# KiCad board ZX80_Board.kicad_pcb
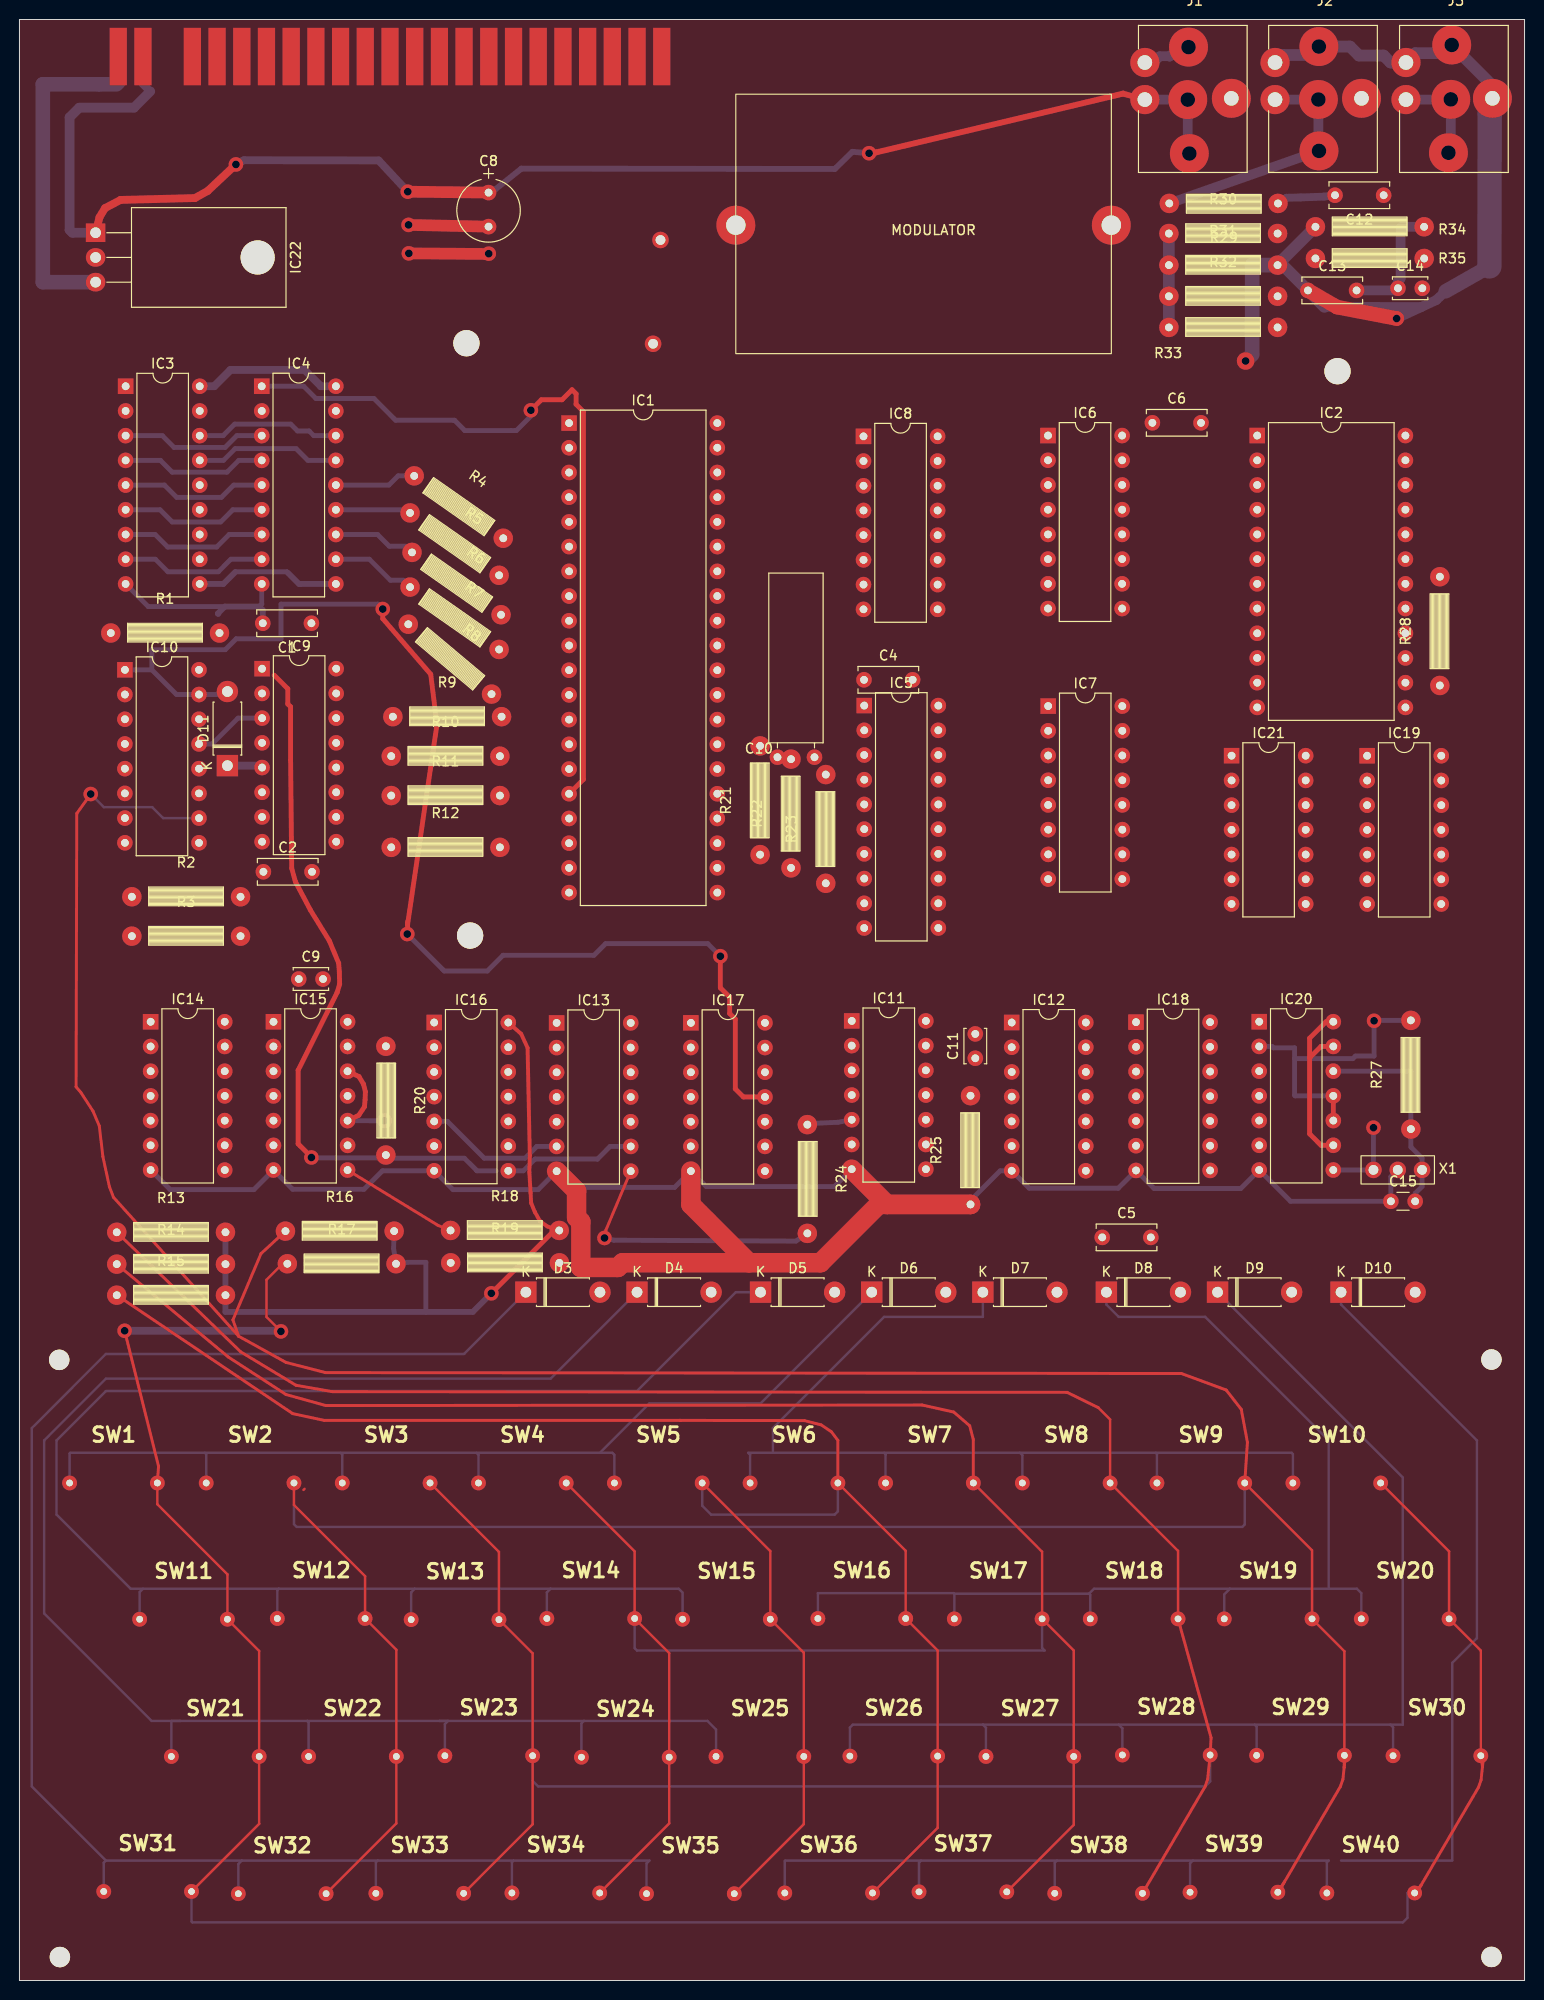
[diagram p0: board, top side]
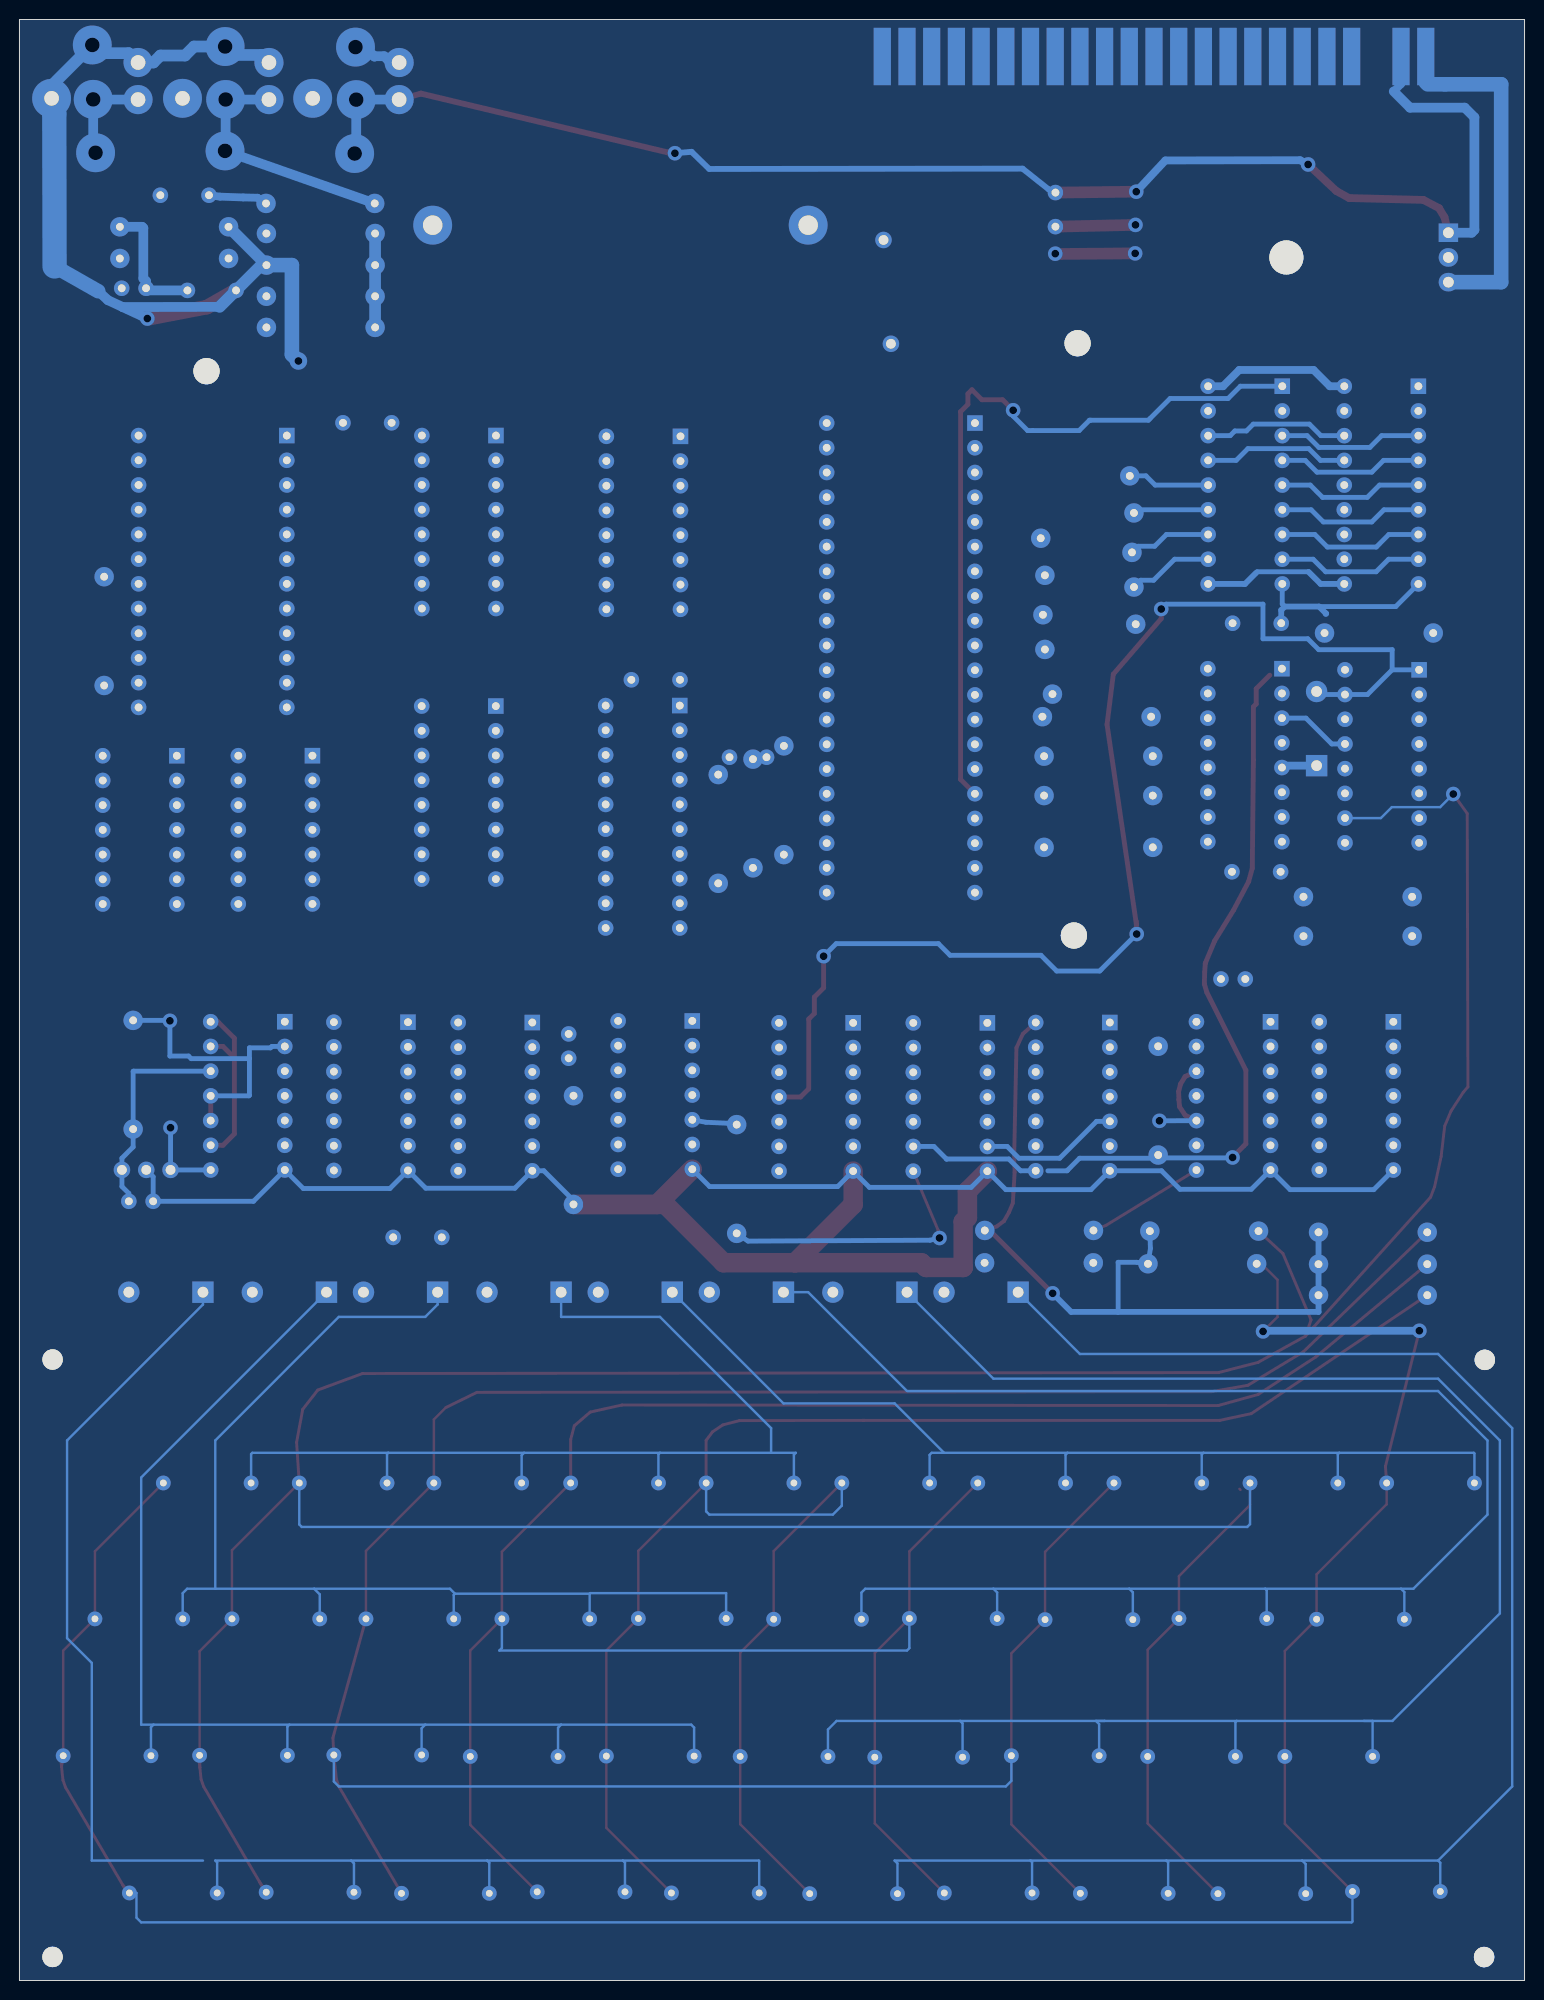
[diagram p1: board, bottom side, seen from below]

Outline 154.76 x 201.56 mm; copper layers: Top, Bottom. Coordinates in mm from the lower left corner of the outline.
Outline path: rectangle 0,201.56 154.76,0
Stack: Top 0.035mm / dielectric 1.51mm FR4 er 4.5 / Bottom 0.035mm

## Placement (name value [footprint] x y rotation side)
Back  Back  [ZX80_Foil_Back]  79.94 99.97 0 top
C1  47n  [C_Disc_D6.0mm_W2.5mm_P5.00mm]  30.02 139.51 180 top
C2  47n  [C_Disc_D6.0mm_W2.5mm_P5.00mm]  25.08 113.96 0 top
C4  47n  [C_Disc_D6.0mm_W2.5mm_P5.00mm]  86.84 133.69 0 top
C5  47n  [C_Disc_D6.0mm_W2.5mm_P5.00mm]  111.33 76.38 0 top
C6  47n  [C_Disc_D6.0mm_W2.5mm_P5.00mm]  116.49 160.1 0 top
C8  22u  [ZX80_C8_CP_Radial_D6.3mm_P3.50mm]  48.23 181.81 0 top
C9  47p  [C_Disc_D3.4mm_W2.1mm_P2.50mm]  28.72 102.94 0 top
C10  1u  [ZX80_C10_CP_Radial_D6.3mm_P3.50mm]  79.84 128.6 0 top
C11  47p  [C_Disc_D3.4mm_W2.1mm_P2.50mm]  98.28 94.79 90 top
C12  100n  [C_Disc_D6.0mm_W2.5mm_P5.00mm]  140.27 183.5 180 top
C13  47n  [C_Disc_D6.0mm_W2.5mm_P5.00mm]  132.49 173.71 0 top
C14  47p  [C_Disc_D3.4mm_W2.1mm_P2.50mm]  141.74 173.93 0 top
C15  0-330p  [C_Disc_D3.0mm_W1.6mm_P2.50mm]  141.01 80.09 0 top
D3  1N4148  [D_DO-41_SOD81_P7.62mm_Horizontal]  52.07 70.75 0 top
D4  1N4148  [D_DO-41_SOD81_P7.62mm_Horizontal]  63.5 70.75 0 top
D5  1N4148  [D_DO-41_SOD81_P7.62mm_Horizontal]  76.2 70.75 0 top
D6  1N4148  [D_DO-41_SOD81_P7.62mm_Horizontal]  87.63 70.75 0 top
D7  1N4148  [D_DO-41_SOD81_P7.62mm_Horizontal]  99.06 70.75 0 top
D8  1N4148  [D_DO-41_SOD81_P7.62mm_Horizontal]  111.76 70.75 0 top
D9  1N4148  [D_DO-41_SOD81_P7.62mm_Horizontal]  123.19 70.75 0 top
D10  1N4148  [D_DO-41_SOD81_P7.62mm_Horizontal]  135.89 70.75 0 top
D11  1N4148  [D_DO-41_SOD81_P7.62mm_Horizontal]  21.38 124.87 90 top
EdgeConnector1  Edge Connectors  [ZX80-EdgeConn_46P]  40.91 200.95 0 top
Front  Front  [ZX80_Foil_Front]  79.14 99.96 0 top
IC1  Z80  [DIP-40_W15.24mm]  56.51 160.08 0 top
IC2  8332  [DIP-24_W15.24mm]  127.27 158.79 0 top
IC3  2114  [DIP-18_W7.62mm]  10.92 163.86 0 top
IC4  2114-1  [DIP-18_W7.62mm]  24.91 163.86 0 top
IC5  74LS373  [DIP-20_W7.62mm]  86.86 131.04 0 top
IC6  74LS157  [DIP-16_W7.62mm]  105.76 158.79 0 top
IC7  74LS157  [DIP-16_W7.62mm]  105.78 130.99 0 top
IC8  74LS157  [DIP-16_W7.62mm]  86.79 158.71 0 top
IC9  74LS165  [DIP-16_W7.62mm]  24.95 134.83 0 top
IC10  74LS365  [DIP-16_W7.62mm]  10.84 134.72 0 top
IC11  74LS00  [DIP-14_W7.62mm]  85.58 98.63 0 top
IC12  74LS00  [DIP-14_W7.62mm]  102.03 98.47 0 top
IC13  74LS04  [DIP-14_W7.62mm]  55.23 98.43 0 top
IC14  74LS05  [DIP-14_W7.62mm]  13.49 98.54 0 top
IC15  74LS05  [DIP-14_W7.62mm]  26.12 98.54 0 top
IC16  74LS10  [DIP-14_W7.62mm]  42.64 98.47 0 top
IC17  74LS32  [DIP-14_W7.62mm]  69.04 98.43 0 top
IC18  74LS74  [DIP-14_W7.62mm]  114.81 98.5 0 top
IC19  74LS74  [DIP-14_W7.62mm]  138.57 125.88 0 top
IC20  74LS86  [DIP-14_W7.62mm]  127.47 98.55 0 top
IC21  74LS93  [DIP-14_W7.62mm]  124.63 125.89 0 top
IC22  7805C  [TO-220-3_Horizontal_TabDown]  7.83 179.64 270 top
J1  9V-11V  [PhonoConn_3Pin]  120.8 195.99 0 top
J2  EAR  [PhonoConn_3Pin]  134.18 195.99 0 top
J3  MIC  [PhonoConn_3Pin]  147.64 195.99 0 top
R1  1K  [ZX80_R_Bare_Metal_Element_L12.4mm_W4.8mm_P11.40mm]  9.26 138.5 0 top
R2  470  [ZX80_R_Bare_Metal_Element_L12.4mm_W4.8mm_P11.40mm]  11.43 111.39 0 top
R3  1K  [ZX80_R_Bare_Metal_Element_L12.4mm_W4.8mm_P11.40mm]  11.43 107.34 0 top
R4  1K  [ZX80_R_Bare_Metal_Element_L12.4mm_W4.8mm_P11.40mm]  40.49 154.72 325 top
R5  1K  [ZX80_R_Bare_Metal_Element_L12.4mm_W4.8mm_P11.40mm]  40.06 150.91 325 top
R6  1K  [ZX80_R_Bare_Metal_Element_L12.4mm_W4.8mm_P11.40mm]  40.26 146.86 325 top
R7  1K  [ZX80_R_Bare_Metal_Element_L12.4mm_W4.8mm_P11.40mm]  40.06 143.29 325 top
R8  1K  [ZX80_R_Bare_Metal_Element_L12.4mm_W4.8mm_P11.40mm]  39.88 139.48 320 top
R9  1K  [ZX80_R_Bare_Metal_Element_L12.4mm_W4.8mm_P11.40mm]  38.27 129.9 0 top
R10  1K  [ZX80_R_Bare_Metal_Element_L12.4mm_W4.8mm_P11.40mm]  38.1 125.84 0 top
R11  1K  [ZX80_R_Bare_Metal_Element_L12.4mm_W4.8mm_P11.40mm]  38.1 121.79 0 top
R12  1K  [ZX80_R_Bare_Metal_Element_L12.4mm_W4.8mm_P11.40mm]  38.1 116.47 0 top
R13  47K  [ZX80_R_Bare_Metal_Element_L12.4mm_W4.8mm_P11.40mm]  9.88 76.91 0 top
R14  47K  [ZX80_R_Bare_Metal_Element_L12.4mm_W4.8mm_P11.40mm]  9.88 73.63 0 top
R15  47K  [ZX80_R_Bare_Metal_Element_L12.4mm_W4.8mm_P11.40mm]  9.88 70.44 0 top
R16  47K  [ZX80_R_Bare_Metal_Element_L12.4mm_W4.8mm_P11.40mm]  27.22 77.03 0 top
R17  47K  [ZX80_R_Bare_Metal_Element_L12.4mm_W4.8mm_P11.40mm]  27.42 73.67 0 top
R18  1K  [ZX80_R_Bare_Metal_Element_L12.4mm_W4.8mm_P11.40mm]  44.2 77.1 0 top
R19  2K2  [ZX80_R_Bare_Metal_Element_L12.4mm_W4.8mm_P11.40mm]  44.22 73.77 0 top
R20  330  [ZX80_R_Bare_Metal_Element_L12.4mm_W4.8mm_P11.40mm]  37.67 96.15 270 top
R21  220K  [ZX80_R_Bare_Metal_Element_L12.4mm_W4.8mm_P11.40mm]  76.16 115.6 90 top
R22  1K  [ZX80_R_Bare_Metal_Element_L12.4mm_W4.8mm_P11.40mm]  79.33 114.23 90 top
R23  1K  [ZX80_R_Bare_Metal_Element_L12.4mm_W4.8mm_P11.40mm]  82.91 112.65 90 top
R24  1K  [ZX80_R_Bare_Metal_Element_L12.4mm_W4.8mm_P11.40mm]  81.01 88.1 270 top
R25  470  [ZX80_R_Bare_Metal_Element_L12.4mm_W4.8mm_P11.40mm]  97.79 79.64 90 top
R27  1K  [ZX80_R_Bare_Metal_Element_L12.4mm_W4.8mm_P11.40mm]  143.07 87.38 90 top
R28  47K  [ZX80_R_Bare_Metal_Element_L12.4mm_W4.8mm_P11.40mm]  146.05 132.98 90 top
R29  180  [ZX80_R_Bare_Metal_Element_L12.4mm_W4.8mm_P11.40mm]  129.53 182.65 180 top
R30  1K  [ZX80_R_Bare_Metal_Element_L12.4mm_W4.8mm_P11.40mm]  118.06 179.56 0 top
R31  1K  [ZX80_R_Bare_Metal_Element_L12.4mm_W4.8mm_P11.40mm]  118.06 176.31 0 top
R32  330  [ZX80_R_Bare_Metal_Element_L12.4mm_W4.8mm_P11.40mm]  118.06 173.11 0 top
R33  5.6K  [ZX80_R_Bare_Metal_Element_L12.4mm_W4.8mm_P11.40mm]  118.06 169.91 0 top
R34  1K  [ZX80_R_Bare_Metal_Element_L12.4mm_W4.8mm_P11.40mm]  133.13 180.25 0 top
R35  1M  [ZX80_R_Bare_Metal_Element_L12.4mm_W4.8mm_P11.40mm]  133.13 177 0 top
REF**  -  [MountingHole_2.7mm_M2.5]  45.96 168.28 0 top
REF**#2  -  [MountingHole_2.1mm]  151.35 63.83 0 top
REF**#3  -  [MountingHole_2.1mm]  4.16 2.41 0 top
REF**#4  -  [MountingHole_2.7mm_M2.5]  135.52 165.41 0 top
REF**#5  -  [MountingHole_2.1mm]  151.36 2.43 0 top
REF**#6  -  [MountingHole_2.7mm_M2.5]  46.34 107.4 0 top
REF**#7  -  [MountingHole_2.1mm]  4.09 63.79 0 top
RF_MODULATOR1  UM1233  [UM1233_RF_Modulator]  93.98 179.91 0 top
SW1  1  [ZX80_Keypad]  9.68 51.14 0 top
SW2  2  [ZX80_Keypad]  23.73 51.14 0 top
SW3  3  [ZX80_Keypad]  37.72 51.14 0 top
SW4  4  [ZX80_Keypad]  51.72 51.14 0 top
SW5  5  [ZX80_Keypad]  65.7 51.14 0 top
SW6  6  [ZX80_Keypad]  79.65 51.14 0 top
SW7  7  [ZX80_Keypad]  93.58 51.14 0 top
SW8  8  [ZX80_Keypad]  107.65 51.14 0 top
SW9  9  [ZX80_Keypad]  121.49 51.14 0 top
SW10  0  [ZX80_Keypad]  135.46 51.14 0 top
SW11  Q  [ZX80_Keypad]  16.88 37.13 0 top
SW12  W  [ZX80_Keypad]  31.04 37.21 0 top
SW13  E  [ZX80_Keypad]  44.8 37.1 0 top
SW14  R  [ZX80_Keypad]  58.75 37.21 0 top
SW15  T  [ZX80_Keypad]  72.71 37.13 0 top
SW16  Y  [ZX80_Keypad]  86.62 37.21 0 top
SW17  U  [ZX80_Keypad]  100.65 37.17 0 top
SW18  I  [ZX80_Keypad]  114.63 37.17 0 top
SW19  O  [ZX80_Keypad]  128.41 37.17 0 top
SW20  P  [ZX80_Keypad]  142.5 37.17 0 top
SW21  A  [ZX80_Keypad]  20.15 23.03 0 top
SW22  S  [ZX80_Keypad]  34.25 23.03 0 top
SW23  D  [ZX80_Keypad]  48.27 23.11 0 top
SW24  F  [ZX80_Keypad]  62.31 22.96 0 top
SW25  G  [ZX80_Keypad]  76.15 23.03 0 top
SW26  H  [ZX80_Keypad]  89.91 23.07 0 top
SW27  J  [ZX80_Keypad]  103.9 23.03 0 top
SW28  K  [ZX80_Keypad]  117.93 23.18 0 top
SW29  L  [ZX80_Keypad]  131.73 23.14 0 top
SW30  NEW LINE  [ZX80_Keypad]  145.76 23.11 0 top
SW31  SHIFT  [ZX80_Keypad]  13.19 9.15 0 top
SW32  Z  [ZX80_Keypad]  27.03 8.93 0 top
SW33  X  [ZX80_Keypad]  41.17 8.96 0 top
SW34  C  [ZX80_Keypad]  55.16 9 0 top
SW35  V  [ZX80_Keypad]  69 8.93 0 top
SW36  B  [ZX80_Keypad]  83.22 9 0 top
SW37  N  [ZX80_Keypad]  97.02 9.12 0 top
SW38  M  [ZX80_Keypad]  110.97 8.96 0 top
SW39  •  [ZX80_Keypad]  124.89 9.08 0 top
SW40  SPACE  [ZX80_Keypad]  138.95 9 0 top
X1  6.5M  [Resonator-3Pin_W7.0mm_H2.5mm]  139.22 83.32 0 top

## Library data of the parts
C1 C2 C4-C6 C9 C11-C15 = -: Description: Unpolarized capacitor
C8 = -: Description: Polarized capacitor; Voltage: 16V
C10 = -: Description: Polarized capacitor; Voltage: 63V
D3-D10 = -: Description: 1000V 1A General Purpose Rectifier Diode, DO-41; Sim.Device: D; Sim.Pins: 2=K 1=A
D11 = -: Description: 1000V 1A General Purpose Rectifier Diode, DO-41; Sim.Device: D; Sim.Enable: 0; Sim.Pins: 2=K 1=A
IC1 = -: Description: CPU Central Processing Unit, 8-bit, NMOS, 2.5 MHz, DIP-40
IC2 = -: Description: 4K x 8 Mask ROM, 450ns, DIP-24
IC3 IC4 = -: Description: 1K x 4 Static RAM, DIP-18
IC5 = -: Description: 8-bit Latch, 3-state outputs
IC6-IC8 = -: Description: Quad 2 to 1 line Multiplexer
IC9 = -: Description: Shift Register 8-bit, parallel load
IC10 = -: Description: Hex Bus Driver, 3-State Outputs
IC11 IC12 = -: Description: quad 2-input NAND gate
IC13 = -: Description: Hex Inverter
IC14 IC15 = -: Description: Inverter Open Collect
IC16 = -: Description: Triple 3-input NAND
IC17 = -: Description: Quad 2-input OR
IC18 IC19 = -: Description: Dual D Flip-flop, Set & Reset
IC20 = -: Description: Quad 2-input XOR
IC21 = -: Description: Divide by 2 & 8 counter
IC22 = -: Description: Positive 1A 35V Linear Regulator, Fixed Output 5V, TO-220
R1-R25 R27-R30 R32 R34 R35 = -: Description: Resistor
R31 R33 = -: Description: Resistor; Sim.Enable: 0
RF_MODULATOR1 = -: Text: RF (VIDEO)
X1 = -: Description: Three pin crystal, GND on pin 2

## Footprints (pads in the part's own frame, mm; a bottom-side part is the same pattern mirrored in y, then rotated)
C_Disc_D3.0mm_W1.6mm_P2.50mm
  round 1.6 hole 0.8: 1(0,0) 2(2.5,0)
C_Disc_D3.4mm_W2.1mm_P2.50mm
  round 1.6 hole 0.8: 1(0,0) 2(2.5,0)
C_Disc_D6.0mm_W2.5mm_P5.00mm
  round 1.6 hole 0.8: 1(0,0) 2(5,0)
D_DO-41_SOD81_P7.62mm_Horizontal
  rect 2.2x2.2 hole 1.1: 1(0,0)
  oval 2.2x2.2 hole 1.1: 2(7.62,0)
DIP-14_W7.62mm
  rect 1.6x1.6 hole 0.8: 1(0,0)
  oval 1.6x1.6 hole 0.8: 2(0,-2.54) 3(0,-5.08) 4(0,-7.62) 5(0,-10.16) 6(0,-12.7) 7(0,-15.24) 8(7.62,-15.24) 9(7.62,-12.7) 10(7.62,-10.16) 11(7.62,-7.62) 12(7.62,-5.08) 13(7.62,-2.54) 14(7.62,0)
DIP-16_W7.62mm
  rect 1.6x1.6 hole 0.8: 1(0,0)
  oval 1.6x1.6 hole 0.8: 2(0,-2.54) 3(0,-5.08) 4(0,-7.62) 5(0,-10.16) 6(0,-12.7) 7(0,-15.24) 8(0,-17.78) 9(7.62,-17.78) 10(7.62,-15.24) 11(7.62,-12.7) 12(7.62,-10.16) 13(7.62,-7.62) 14(7.62,-5.08) 15(7.62,-2.54) 16(7.62,0)
DIP-18_W7.62mm
  rect 1.6x1.6 hole 0.8: 1(0,0)
  oval 1.6x1.6 hole 0.8: 2(0,-2.54) 3(0,-5.08) 4(0,-7.62) 5(0,-10.16) 6(0,-12.7) 7(0,-15.24) 8(0,-17.78) 9(0,-20.32) 10(7.62,-20.32) 11(7.62,-17.78) 12(7.62,-15.24) 13(7.62,-12.7) 14(7.62,-10.16) 15(7.62,-7.62) 16(7.62,-5.08) 17(7.62,-2.54) 18(7.62,0)
DIP-20_W7.62mm
  rect 1.6x1.6 hole 0.8: 1(0,0)
  oval 1.6x1.6 hole 0.8: 2(0,-2.54) 3(0,-5.08) 4(0,-7.62) 5(0,-10.16) 6(0,-12.7) 7(0,-15.24) 8(0,-17.78) 9(0,-20.32) 10(0,-22.86) 11(7.62,-22.86) 12(7.62,-20.32) 13(7.62,-17.78) 14(7.62,-15.24) 15(7.62,-12.7) 16(7.62,-10.16) 17(7.62,-7.62) 18(7.62,-5.08) 19(7.62,-2.54) 20(7.62,0)
DIP-24_W15.24mm
  rect 1.6x1.6 hole 0.8: 1(0,0)
  oval 1.6x1.6 hole 0.8: 2(0,-2.54) 3(0,-5.08) 4(0,-7.62) 5(0,-10.16) 6(0,-12.7) 7(0,-15.24) 8(0,-17.78) 9(0,-20.32) 10(0,-22.86) 11(0,-25.4) 12(0,-27.94) 13(15.24,-27.94) 14(15.24,-25.4) 15(15.24,-22.86) 16(15.24,-20.32) 17(15.24,-17.78) 18(15.24,-15.24) 19(15.24,-12.7) 20(15.24,-10.16) 21(15.24,-7.62) 22(15.24,-5.08) 23(15.24,-2.54) 24(15.24,0)
DIP-40_W15.24mm
  rect 1.6x1.6 hole 0.8: 1(0,0)
  oval 1.6x1.6 hole 0.8: 2(0,-2.54) 3(0,-5.08) 4(0,-7.62) 5(0,-10.16) 6(0,-12.7) 7(0,-15.24) 8(0,-17.78) 9(0,-20.32) 10(0,-22.86) 11(0,-25.4) 12(0,-27.94) 13(0,-30.48) 14(0,-33.02) 15(0,-35.56) 16(0,-38.1) 17(0,-40.64) 18(0,-43.18) 19(0,-45.72) 20(0,-48.26) 21(15.24,-48.26) 22(15.24,-45.72) 23(15.24,-43.18) 24(15.24,-40.64) 25(15.24,-38.1) 26(15.24,-35.56) 27(15.24,-33.02) 28(15.24,-30.48) 29(15.24,-27.94) 30(15.24,-25.4) 31(15.24,-22.86) 32(15.24,-20.32) 33(15.24,-17.78) 34(15.24,-15.24) 35(15.24,-12.7) 36(15.24,-10.16) 37(15.24,-7.62) 38(15.24,-5.08) 39(15.24,-2.54) 40(15.24,0)
MountingHole_2.1mm
  round 2.1 hole 2.1 unplated: (0,0)
MountingHole_2.7mm_M2.5
  round 2.7 hole 2.7 unplated: (0,0)
PhonoConn_3Pin
  round 4 hole 1.5: R(3.81,-2.54)
  round 3 hole 1.5: S(-5.08,-2.667) T(-5.08,1.143)
Resonator-3Pin_W7.0mm_H2.5mm
  round 1.7 hole 1: 1(5,0) 2(2.5,0) 3(0,0)
TO-220-3_Horizontal_TabDown
  oval 3.5x3.5 hole 3.5 unplated: (2.54,16.66)
  rect 1.905x2 hole 1.1: 1(0,0)
  oval 1.905x2 hole 1.1: 2(2.54,0) 3(5.08,0)
UM1233_RF_Modulator
  round 1.7 hole 1: 1(-28.829,-11.684) 2(-28.067,-1.016)
  round 4 hole 2: 3(-20.32,0.508) 3(18.288,0.508)
ZX80-EdgeConn_46P
  rect 1.77x5.9 smd: 1A(-30.75,-3.2) 2A(-28.21,-3.2) 4A(-23.13,-3.2) 5A(-20.59,-3.2) 6A(-18.05,-3.2) 7A(-15.51,-3.2) 8A(-12.97,-3.2) 9A(-10.43,-3.2) 10A(-7.89,-3.2) 11A(-5.35,-3.2) 12A(-2.81,-3.2) 13A(-0.27,-3.2) 14A(2.27,-3.2) 15A(4.81,-3.2) 16A(7.35,-3.2) 17A(9.89,-3.2) 18A(12.43,-3.2) 19A(14.97,-3.2) 20A(17.51,-3.2) 21A(20.05,-3.2) 22A(22.59,-3.2) 23A(25.13,-3.2)
  rect 1.77x5.9 smd far side: 1B(-30.75,-3.2) 2B(-28.21,-3.2) 4B(-23.13,-3.2) 5B(-20.59,-3.2) 6B(-18.05,-3.2) 7B(-15.51,-3.2) 8B(-12.97,-3.2) 9B(-10.43,-3.2) 10B(-7.89,-3.2) 11B(-5.35,-3.2) 12B(-2.81,-3.2) 13B(-0.27,-3.2) 14B(2.27,-3.2) 15B(4.81,-3.2) 16B(7.35,-3.2) 17B(9.89,-3.2) 18B(12.43,-3.2) 19B(14.97,-3.2) 20B(17.51,-3.2) 21B(20.05,-3.2) 22B(22.59,-3.2) 23B(25.13,-3.2)
ZX80_C8_CP_Radial_D6.3mm_P3.50mm
  round 1.6 hole 0.8: 1(0,1.956) 2(0,-1.544)
ZX80_C10_CP_Radial_D6.3mm_P3.50mm
  round 1.6 hole 0.8: 1(-1.905,-2.869) 2(1.905,-2.869)
ZX80_Keypad
  round 1.524 hole 0.7: 1(-4.525,0) 2(4.5,0)
ZX80_R_Bare_Metal_Element_L12.4mm_W4.8mm_P11.40mm
  round 2 hole 0.8: 1(0.127,0) 2(11.303,0)

## Nets
0V: C1.2 C2.2 C4.2 C5.2 C6.2 C8.2 C10.2 C13.1 C15.1 EdgeConnector1.4B EdgeConnector1.5B IC1.29 IC2.12 IC3.9 IC4.9 IC5.1 IC5.10 IC6.5 IC6.8 IC6.15 IC7.8 IC7.15 IC8.8 IC8.15 IC9.8 IC9.10 IC9.15 IC10.8 IC11.7 IC12.7 IC13.7 IC14.7 IC15.7 IC16.7 IC17.7 IC18.2 IC18.7 IC19.7 IC20.1 IC20.7 IC21.10 IC22.2 J1.R J1.T J2.R J2.T J3.R J3.T R1.1 R2.1 R25.1 R31.1 R34.1 RF_MODULATOR1.3 X1.2
5V: C1.1 C2.1 C4.1 C5.1 C6.1 C13.2 C14.1 EdgeConnector1.1B EdgeConnector1.12A IC1.11 IC2.24 IC3.18 IC4.18 IC5.20 IC6.16 IC7.16 IC8.16 IC9.16 IC10.16 IC11.14 IC12.14 IC13.14 IC14.14 IC15.14 IC16.14 IC17.14 IC18.3 IC18.10 IC18.13 IC18.14 IC19.4 IC19.10 IC19.13 IC19.14 IC20.9 IC20.13 IC20.14 IC21.5 IC22.3 J2.S J3.S R3.2 R12.1 R13.2 R14.2 R15.2 R16.2 R17.2 R18.2 R20.2 R21.2 R22.2 R23.2 R28.2 R29.2 R33.2 R34.2
9V: C8.1 EdgeConnector1.2B IC22.1 J1.S
/~{A0}: IC2.8 IC8.9
/~{A1}: IC2.7 IC8.7
/~{A2}: IC2.6 IC8.12
/~{A3}: IC2.5 IC8.4
A0: EdgeConnector1.7B IC1.30 IC3.7 IC4.7 IC8.10 IC17.13
A1: EdgeConnector1.8B IC1.31 IC3.6 IC4.6 IC8.6
A2: EdgeConnector1.9B IC1.32 IC3.5 IC4.5 IC8.13
A3: EdgeConnector1.10B IC1.33 IC3.4 IC4.4 IC8.3
A4: EdgeConnector1.22B IC1.34 IC3.3 IC4.3 IC7.10
A5: EdgeConnector1.21B IC1.35 IC3.2 IC4.2 IC7.6
A6: EdgeConnector1.11A EdgeConnector1.20B IC1.16 IC1.36 IC3.1 IC4.1 IC7.3
A7: EdgeConnector1.19B IC1.37 IC3.17 IC4.17 IC7.13
A8: EdgeConnector1.18B IC1.38 IC3.16 IC4.16 IC6.3
A9: D4.2 EdgeConnector1.17B IC1.39 IC2.22 IC3.15 IC4.15
A10: D5.2 EdgeConnector1.16B IC1.40 IC2.19
A11: D6.2 EdgeConnector1.15B IC1.1 IC2.18
A12: D7.2 EdgeConnector1.14B IC1.2 IC2.21
A13: D8.2 EdgeConnector1.13B IC1.3
A14: EdgeConnector1.12B IC1.4 IC6.10 IC6.11
A15: EdgeConnector1.11B IC1.5 IC6.13 IC6.14
CLK: C9.2 IC1.6 IC15.10 IC15.12 R20.1
RAMCS: EdgeConnector1.2A R19.1
SYNC: IC18.1 IC19.5 IC21.1 R32.2 R35.2
VIDEO: IC20.6 R30.2
~{A8}: D3.2 IC2.23 IC6.4
~{A14}: D9.2 IC6.9 IC12.9 IC13.13
~{A15}: D10.2 IC6.12 IC16.4
~{BUSAC}: EdgeConnector1.18A IC1.23
~{BUSRQ}: EdgeConnector1.20A IC1.25 R22.1
~{CLK}: EdgeConnector1.6B IC15.11 IC15.13 IC16.2 IC18.8 IC18.12
~{D0}: EdgeConnector1.4A IC2.9 IC3.12 IC5.7 R10.1
~{D1}: EdgeConnector1.5A IC2.10 IC3.13 IC5.14 R11.1
~{D2}: EdgeConnector1.6A IC2.11 IC3.11 IC5.17 R8.1
~{D3}: EdgeConnector1.9A IC2.13 IC4.13 IC5.18 R5.1
~{D4}: EdgeConnector1.10A IC2.14 IC4.14 IC5.3 R4.1
~{D5}: EdgeConnector1.8A IC2.15 IC4.12 IC5.4 R6.1
~{D6}: EdgeConnector1.7A IC2.16 IC4.11 IC13.5 R7.1 R28.1
~{D7}: EdgeConnector1.1A IC2.17 IC3.14 IC5.13 R9.1
~{HALT}: EdgeConnector1.13A IC1.18 IC16.3
~{IORQ}: EdgeConnector1.15A IC1.20 IC17.2 IC17.5 IC18.4
~{KBD}: D11.2 IC10.1 IC10.15 IC11.13 IC17.11
~{M1}: EdgeConnector1.22A IC1.27 IC15.9 IC17.9
~{MREQ}: EdgeConnector1.14A IC1.19 IC11.1 IC12.12 IC13.1 IC16.11
~{RAMCS}: IC3.8 IC4.8
~{RD}: EdgeConnector1.16A IC1.21 IC17.1
~{RESET}: C10.1 EdgeConnector1.21A IC1.26 R21.1
~{RFSH}: EdgeConnector1.23A IC1.28 IC6.1 IC7.1 IC8.1 IC16.1
~{SYNC}: IC19.6
~{WAIT}: EdgeConnector1.19A IC1.24 R23.1
~{WR}: EdgeConnector1.17A IC1.22 IC3.10 IC4.10 IC17.4
Net-(C11-Pad2): C11.2 IC11.2 IC16.9 R25.2
Net-(C12-Pad2): C12.2 R29.1
Net-(C14-Pad2): C14.2 R35.1
Net-(C15-Pad2): C15.2 IC20.12 R27.1 X1.1
Net-(D4-A): D4.1 D9.1 SW21.1 SW22.1 SW23.1 SW24.1 SW25.1 SW26.1 SW27.1 SW28.1 SW29.1 SW30.1
Net-(D5-A): D5.1 D8.1 SW11.1 SW12.1 SW13.1 SW14.1 SW15.1 SW16.1 SW17.1 SW18.1 SW19.1 SW20.1
Net-(D6-A): D6.1 D7.1 SW1.1 SW2.1 SW3.1 SW4.1 SW5.1 SW6.1 SW7.1 SW8.1 SW9.1 SW10.1
Net-(D10-A): D3.1 D10.1 SW31.1 SW32.1 SW33.1 SW34.1 SW35.1 SW36.1 SW37.1 SW38.1 SW39.1 SW40.1
Net-(D11-A): D11.1 IC1.10 IC9.5 IC15.6 R7.2
Net-(IC1-D0): IC1.14 IC9.11 IC10.7 IC14.4 R10.2
Net-(IC1-D1): IC1.15 IC9.12 IC10.9 IC14.2 R11.2
Net-(IC1-D2): IC1.12 IC9.13 IC10.11 IC14.10 R8.2
Net-(IC1-D3): IC1.8 IC9.14 IC10.5 IC14.6 R5.2
Net-(IC1-D4): IC1.7 IC9.3 IC10.13 IC14.8 R4.2
Net-(IC1-D5): IC1.9 IC9.4 IC14.12 R6.2
Net-(IC1-D7): IC1.13 IC9.6 IC10.3 IC15.4 R9.2
Net-(IC1-~{NMI}): IC1.17 R12.2
Net-(IC2-CS1): IC2.20 IC6.7
Net-(IC2-~{A4}): IC2.4 IC7.9
Net-(IC2-~{A5}): IC2.3 IC7.7
Net-(IC2-~{A6}): IC2.2 IC7.4
Net-(IC2-~{A7}): IC2.1 IC7.12
Net-(IC5-D7): IC5.8 IC16.6 IC17.10
Net-(IC5-LE): IC5.11 IC13.4
Net-(IC5-O0): IC5.2 IC7.14
Net-(IC5-O1): IC5.5 IC6.2
Net-(IC5-O2): IC5.6 IC8.2
Net-(IC5-O3): IC5.9 IC13.11
Net-(IC5-O4): IC5.12 IC11.4
Net-(IC5-O5): IC5.15 IC7.11
Net-(IC5-O6): IC5.16 IC7.5
Net-(IC5-O7): IC5.19 IC7.2
Net-(IC9-CK): C9.1 IC9.2 R2.2
Net-(IC9-Q): IC9.7 IC9.9 IC20.4
Net-(IC9-S/L): IC9.1 IC13.9 IC16.8
Net-(IC10-I1): C12.1 IC10.2 R1.2
Net-(IC10-I2): IC10.4 R14.1 SW4.2 SW7.2 SW14.2 SW17.2 SW24.2 SW27.2 SW34.2 SW37.2
Net-(IC10-I3): IC10.6 R17.1 SW1.2 SW10.2 SW11.2 SW20.2 SW21.2 SW30.2 SW31.2 SW40.2
Net-(IC10-I4): IC10.10 R16.1 SW2.2 SW9.2 SW12.2 SW19.2 SW22.2 SW29.2 SW32.2 SW39.2
Net-(IC10-I5): IC10.12 R13.1 SW3.2 SW8.2 SW13.2 SW18.2 SW23.2 SW28.2 SW33.2 SW38.2
Net-(IC10-I6): IC10.14 R15.1 SW5.2 SW6.2 SW15.2 SW16.2 SW25.2 SW26.2 SW35.2 SW36.2
Net-(IC11-Pad3): IC11.3 IC12.2
Net-(IC11-Pad5): IC11.5 R24.1
Net-(IC11-Pad6): IC11.6 IC12.5
Net-(IC11-Pad9): IC11.9 IC17.6
Net-(IC11-Pad10): IC11.10 IC11.11 IC21.2 IC21.3
Net-(IC12-Pad1): IC12.1 IC12.6 IC20.5
Net-(IC12-Pad3): IC12.3 IC12.4
Net-(IC12-Pad8): IC12.8 R19.2
Net-(IC12-Pad10): IC12.10 IC13.2 IC16.13
Net-(IC12-Pad11): IC6.6 IC12.11
Net-(IC12-Pad13): IC12.13 IC13.12
Net-(IC13-Pad3): IC13.3 IC16.12
Net-(IC13-Pad6): IC13.6 IC16.5
Net-(IC13-Pad8): IC13.8 R24.2
Net-(IC13-Pad10): IC13.10 IC16.10
Net-(IC14-Pad1): IC14.1 IC14.3 IC14.5 IC14.9 IC14.11 IC14.13 IC15.2 IC15.3 IC15.5 R3.1
Net-(IC15-Pad1): IC15.1 IC17.8
Net-(IC15-Pad8): IC15.8 IC19.3 IC19.11 R18.1
Net-(IC17-Pad12): IC17.3 IC17.12
Net-(IC18-Pad11): IC18.11 IC20.3
Net-(IC18A-~{Q}): IC18.6 IC19.12
Net-(IC18B-Q): C11.1 IC18.9
Net-(IC19A-CLR): IC11.8 IC11.12 IC19.1
Net-(IC19A-D): IC19.2 IC19.9
Net-(IC20-Pad8): IC20.8 X1.3
Net-(IC20-Pad10): IC20.2 IC20.10 IC20.11 R27.2
Net-(IC21-B): IC8.11 IC21.9
Net-(IC21-C): IC8.5 IC21.8
Net-(IC21-D): IC8.14 IC21.11
Net-(RF_MODULATOR1-VIDEO): R30.1 R33.1 RF_MODULATOR1.1
Net-(RF_MODULATOR1-~{SYNC}): R31.2 R32.1 RF_MODULATOR1.2

Pads without a net: EdgeConnector1 23B; IC18 5; IC19 8; IC21 4 6 7 12 13 14

## Via types
v1: diameter 1.5, hole 0.8, Top to Bottom, 20 vias
v2: diameter 4, hole 1.5, Top to Bottom, 9 vias
v3: diameter 1.8, hole 0.8, Top to Bottom, 1 via

## Routing (per net, layer and track width the routed paths; a pad name or vN(x,y) marks a point on that pad's centre or on a via; arc(x,y) is an arc through that point)
0V: length 359
  Top w1.2: C8.2 v1(40.01,180.45)
  Top w1.5: C13.1 135.48,171.99 v1(141.61,170.82)
  Top w2: IC13.7 57.29,81.14 57.29,78.42 57.72,77.99 57.72,73.29 57.72,73.29 61.53,73.29 62.02,73.78 75.01,73.78 ; 75.01,73.78 69.04,79.76 IC17.7 ; 75.01,73.78 82.36,73.78 88.35,79.77 R25.1 89.2,79.77 IC11.7
  Bottom w0.5: IC4.9 24.91,141.48 24.66,141.22 13.24,141.22 IC3.9 ; IC14.7 15.5,81.29 24.11,81.29 IC15.7 28.1,81.32 35.43,81.32 37.33,83.23 IC16.7 44.58,81.29 53.33,81.29 IC13.7 56.9,81.52 67.36,81.52 IC17.7 70.62,81.61 83.79,81.61 IC11.7 ; R25.1 97.79,80.18 100.84,83.23 IC12.7 103.82,81.44 112.98,81.44 IC18.7 116.66,81.41 125.57,81.41 IC20.7 130.69,80.09 C15.1 141.01,82.61 X1.2
  Bottom w0.6: C1.2 25.02,140.85 24.66,141.22 21.13,141.22 20.4,140.5 20.44,140.46
  Bottom w1: 124.47,193.32 J1.R ; 146.66,173.63 145.66,172.71 144.14,172 ; 144.14,172 v1(141.61,170.82) ; 144.14,172 134.18,172.02 ; J1.T 116.61,197.14 117.25,197.78 118.22,197.78 118.26,197.75 119.23,198.72 v2(120.2,198.72)
  Bottom w1.2: R34.1 129.36,176.35 129.36,176.31 129.89,176.31 C13.1 134.18,172.02 ; J3.R 151.45,194.75 v2(147.27,198.94) 146.42,198.1 143.52,198.1 J3.T 140.98,197.14 140.26,197.85 137.73,197.85 136.81,198.78 v2(133.61,198.78) 132.74,197.91 129.88,197.91 J2.T ; 118.19,179.56 118.19,169.91
  Bottom w1.5: v3(126.08,166.46) 126.74,167.13 126.74,176.31 129.36,176.31 ; 151.15,176.18 146.66,173.63
  Bottom w2.5: J3.R 151.17,191.86 151.15,176.18
5V: length 274
  Top w0.4: R18.2 54.28,77.5 53.52,78.06 53,78.98 52.62,79.91 52.55,80.97 52.43,83.07 52.48,84.79 52.25,95.87 51.58,97.3 IC16.14
  Top w0.5: IC20.9 133.83,85.85 132.66,87.02 132.66,94.84 ; R18.2 54.99,77.1 v1(48.52,70.63) ; 132.66,94.84 133.83,96.01 IC20.13 ; 132.66,94.84 132.66,96.85 134.35,98.55 IC20.14 ; 26.2,134.17 27.59,132.77 27.59,131.2 27.88,130.92 27.88,125.46 27.99,114.32 28.37,112.96 29.91,110.03 31.87,106.86 32.83,104.56 32.89,103.65 32.92,102.41 32.66,101.55 28.65,93.56 28.65,85.99 29.68,84.97 29.68,84.77 30.02,84.77 v1(30.02,84.59)
  Bottom w0.5: v1(30.02,84.59) 30.06,84.55 37.38,84.55 R20.2 38.01,84.52 45.75,84.52 47.04,83.22 49.01,83.22 ; R16.2 38.47,75.24 R17.2 39.85,73.82 41.79,73.82 41.79,68.72
  Bottom w0.6: v1(48.52,70.63) 46.61,68.72 21.18,68.72 R15.2 R13.2 ; 9.96,194.9 10.16,195.1
  Bottom w0.8: IC4.18 31,163.86 29.33,165.54 21.69,165.54 20.02,163.86 IC3.18
  Bottom w1: R29.2 v2(133.62,188.05) 133.56,188.11 v2(133.56,193.33) 133.55,193.33 J2.S ; C13.2 141.52,173.71 C14.1 141.74,174.67 142.02,174.94 142.02,180.12 142.15,180.25 R34.2 ; J3.S 147.15,193.33 v2(147.17,193.35) 147.17,188.11 v2(146.93,187.86)
  Bottom w1.5: 9.96,194.9 2.4,194.9 2.4,174.56 IC22.3 ; EdgeConnector1.1B 10.16,195.1
9V: length 152.7
  Top w0.6: J1.S 113.47,193.94 88.07,187.89 v1(87.36,187.81)
  Top w0.8: v1(22.26,186.66) 19.36,183.93 18.05,183.21 10.4,183.01 8.8,182.17 8.23,181.23 IC22.1
  Top w1.2: C8.1 v1(39.93,183.86)
  Bottom w0.6: C8.1 48.94,184.11 51.61,186.23 83.84,186.19 85.65,187.96 v1(87.36,187.81)
  Bottom w0.8: v1(22.26,186.66) 23.08,187.09 36.93,187.07 v1(39.93,183.86) ; EdgeConnector1.2B 12.7,194.91 13.45,194.17
  Bottom w1: IC22.1 5.44,179.64 5.15,179.93 5.15,191.5 6.15,192.49 11.78,192.49 13.45,194.17 ; J1.S 120.12,193.33 v2(120.13,193.32) 120.13,187.94 v2(120.29,187.78)
(no net): length 8.5
  Top w0.25: 29.21,50.43 29.31,50.53
  Top w1.2: v1(40.04,177.52) 48.33,177.45 v1(48.25,177.49)
A0: length 15.1
  Bottom w0.5: IC4.7 21.56,148.62 20.27,147.33 15.24,147.33 13.95,148.62 IC3.7
A1: length 15
  Bottom w0.5: IC4.6 21.94,151.16 20.69,149.91 15.71,149.91 14.46,151.16 IC3.6
A2: length 15
  Bottom w0.5: IC3.5 14.91,153.7 16.17,152.44 20.77,152.44 22.03,153.7 IC4.5
A3: length 15
  Bottom w0.5: IC4.4 22.55,156.24 21.34,155.03 15.7,155.03 14.49,156.24 IC3.4
A4: length 15
  Bottom w0.5: IC4.3 22.35,158.78 21.14,157.57 15.9,157.57 14.69,158.78 IC3.3
A6: length 78.5
  Top w0.5: IC1.16 57.99,123.45 57.99,161.25 57.23,162.01 57.23,163.09 56.82,163.5 55.79,162.47 53.67,162.47 v1(52.59,161.39)
  Bottom w0.5: v1(52.59,161.39) 52.59,160.8 51.09,159.3 45.79,159.3 44.73,160.37 38.68,160.37 36.45,162.6 30.48,162.6 29.22,163.86 IC4.1
A8: length 15
  Bottom w0.5: IC3.16 20.94,158.78 22.13,159.97 27.89,159.97 28.59,159.27 29.78,159.27 30.27,158.78 IC4.16
A9: length 15
  Bottom w0.5: IC4.15 29.65,156.24 28.45,157.45 22.18,157.45 20.98,156.24 IC3.15
CLK: length 10.7
  Top w0.5: IC15.12 34.9,92.91 35.38,92.13 35.57,91.35 35.54,90.54 35.47,89.81 34.89,88.93 IC15.10
  Bottom w0.5: IC15.10 v1(37.54,88.36)
~{D3}: length 7.8
  Bottom w0.5: IC4.13 39.84,151.16 R5.1
~{D4}: length 8.4
  Bottom w0.5: IC4.14 37.98,153.7 38.93,154.65 R4.1
~{D5}: length 8.6
  Bottom w0.5: R6.1 39.74,147.42 38.03,147.42 36.82,148.62 IC4.12
~{D6}: length 8.8
  Bottom w0.5: R7.1 39.46,143.92 38.14,143.92 35.98,146.08 IC4.11
~{KBD}: length 130.7
  Top w0.5: v1(39.88,107.56) 39.91,107.59 39.91,108.55 ; v1(37.36,140.96) 37.36,139.98 42.28,134.26 42.93,129.1 39.91,108.55 ; v1(72.07,105.28) 72.07,102.03 73.02,101.08 73.02,99.39 73.61,98.81 73.61,91.65 74.44,90.81 IC17.11 ; 39.91,108.55 39.91,108.84
  Bottom w0.5: D11.2 21.07,132.18 IC10.15 16.15,132.18 13.61,134.72 ; v1(37.36,140.96) 36.85,141.46 26.9,141.46 26.9,137.91 22.29,137.91 21.17,136.79 13.61,136.79 13.61,134.72 ; IC10.1 13.61,134.72 ; v1(72.07,105.28) 70.78,106.57 60.27,106.57 59.07,105.38 49.73,105.38 48.11,103.76 43.68,103.76 v1(39.88,107.56)
~{RAMCS}: length 15.1
  Bottom w0.5: IC3.8 13.97,146.08 15.26,144.79 20.45,144.79 21.74,146.08 IC4.8
~{WR}: length 15
  Bottom w0.5: 27.62,144.67 27.49,144.79 22.22,144.79 22.19,144.77
  Bottom w0.6: 22.19,144.77 20.96,143.54 IC3.10 ; 27.62,144.67 28.74,143.54 IC4.10
Net-(C12-Pad2): length 6.1
  Bottom w0.8: R29.1 130.27,183.23 131.73,183.27 134.13,183.35 C12.2
Net-(C15-Pad2): length 22.1
  Bottom w0.5: C15.2 143.51,80.9 144.22,81.61 X1.1 144.22,84.52 143.07,85.67 R27.1 143.07,93.43 143.03,93.47 IC20.12
Net-(D4-A): length 304
  Bottom w0.25: SW22.1 29.73,26.55 29.59,26.68 ; 29.59,26.68 43.18,26.68 ; 29.59,26.68 16.51,26.68 ; 43.18,26.68 44.07,26.68 43.74,26.36 SW23.1 ; 43.18,26.68 58.04,26.68 ; 140.97,26.3 142.24,26.3 142.24,51.7 D9.1 ; 140.97,26.3 127,26.3 ; 140.97,26.3 141.24,26.03 SW30.1 ; 99.06,26.3 113.03,26.3 ; 99.06,26.3 99.38,25.98 SW27.1 ; 99.06,26.3 85.68,26.3 85.39,26 SW26.1 ; 113.03,26.3 113.41,25.92 SW28.1 ; 113.03,26.3 127,26.3 ; SW21.1 15.62,26.68 16.51,26.68 ; 127,26.3 127.21,26.09 SW29.1 ; 16.51,26.68 13.59,26.68 2.54,37.73 2.54,55.51 8.89,61.86 54.61,61.86 D4.1 ; 58.04,26.68 70.74,26.68 71.62,25.8 SW25.1 ; 58.04,26.68 57.78,26.43 SW24.1
Net-(D5-A): length 285
  Bottom w0.25: 12.7,40.27 11.43,40.27 3.81,47.89 3.81,55.51 8.89,60.59 63.5,60.59 73.66,70.75 D5.1 ; 12.7,40.27 26.67,40.27 ; 12.7,40.27 12.36,39.93 SW11.1 ; 124.46,40.27 134.62,40.27 ; 124.46,40.27 110.49,40.27 109.98,39.76 ; 124.46,40.27 123.88,39.69 SW19.1 ; 134.62,40.27 134.62,55.51 121.92,68.21 113.03,68.21 111.76,69.48 D8.1 ; 134.62,40.27 137.51,40.27 137.97,39.81 SW20.1 ; 96.13,39.76 96.07,39.82 82.1,39.82 SW16.1 ; 96.13,39.76 SW17.1 ; 96.13,39.76 109.98,39.76 ; 109.98,39.76 110.1,39.63 SW18.1 ; SW15.1 68.18,39.87 67.78,40.27 54.61,40.27 ; SW14.1 54.23,39.89 54.61,40.27 ; 26.67,40.27 26.51,40.11 SW12.1 ; 26.67,40.27 40.64,40.27 ; SW13.1 40.28,39.91 40.64,40.27 ; 54.61,40.27 40.64,40.27
Net-(D6-A): length 209.5
  Bottom w0.25: D6.1 76.2,59.32 64.77,59.32 59.69,54.24 ; SW7.1 89.05,54.09 88.9,54.24 ; SW9.1 116.96,54.12 116.84,54.24 ; D7.1 99.06,68.21 88.9,68.21 77.47,56.78 77.47,54.24 ; SW5.1 61.17,54.03 60.96,54.24 59.69,54.24 ; 77.47,54.24 88.9,54.24 ; 77.47,54.24 74.93,54.24 75.13,54.04 SW6.1 ; 88.9,54.24 102.87,54.24 ; 102.87,54.24 116.84,54.24 ; 102.87,54.24 103.12,53.99 SW8.1 ; 116.84,54.24 130.81,54.24 130.94,54.11 SW10.1 ; SW3.1 33.19,54.07 33.02,54.24 ; 59.69,54.24 46.99,54.24 ; 19.05,54.24 33.02,54.24 ; 19.05,54.24 19.2,54.09 SW2.1 ; 19.05,54.24 5.23,54.24 5.15,54.17 SW1.1 ; 33.02,54.24 46.99,54.24 ; SW4.1 47.2,54.03 46.99,54.24
Net-(D10-A): length 326.7
  Bottom w0.25: SW35.1 64.48,12.04 64.77,12.33 50.8,12.33 ; SW38.1 106.45,12.1 106.68,12.33 ; 36.83,12.33 36.65,12.15 SW33.1 ; 36.83,12.33 22.86,12.33 ; 36.83,12.33 50.8,12.33 ; D10.1 135.89,69.48 149.86,55.51 149.86,35.19 147.32,32.65 147.32,12.33 135.89,12.33 ; 106.68,12.33 120.65,12.33 ; 106.68,12.33 92.71,12.33 ; 120.65,12.33 134.62,12.33 134.43,12.14 SW40.1 ; 120.65,12.33 120.36,12.04 SW39.1 ; SW34.1 50.64,12.17 50.8,12.33 ; 22.86,12.33 22.51,11.98 SW32.1 ; 22.86,12.33 8.89,12.33 ; SW36.1 78.69,12.28 78.74,12.33 92.71,12.33 ; SW31.1 8.67,12.11 8.89,12.33 ; 92.71,12.33 92.5,12.12 SW37.1 ; 8.89,12.33 1.27,19.95 1.27,56.78 8.89,64.4 45.72,64.4 D3.1
Net-(D11-A): length 3.6
  Bottom w0.8: D11.1 24.75,124.87 IC9.5
Net-(IC1-D4): length 7.6
  Bottom w0.5: IC9.3 22.47,129.75 19.82,127.1 IC10.13
Net-(IC9-S/L): length 13.6
  Bottom w0.5: IC13.9 60.73,85.73 59.43,84.43 59.42,84.44 53.02,84.44 51.81,83.23 IC16.8
Net-(IC10-I2): length 246.3
  Top w0.25: SW37.2 108.4,16 SW27.2 108.4,33.92 SW17.2 105.15,44.07 SW7.2 ; SW34.2 66.81,16.15 SW24.2 66.81,33.66 SW14.2 63.25,44.11 SW4.2
  Top w0.3: R14.1 21.47,64.09 27.4,60.23 31.5,59.1 92.81,59.15 96.07,58.43 97.71,57.02 98.08,55.61 SW7.2
  Bottom w0.25: SW17.2 105.15,34.18 105.41,33.92 63.5,33.92 63.25,34.17 SW14.2
Net-(IC10-I3): length 272.1
  Top w0.25: SW10.2 147,44.11 SW20.2 150.26,33.91 SW30.2 ; SW1.2 14.18,48.95 21.38,41.75 SW11.2 24.65,33.87 SW21.2 24.65,16.11 SW31.2 ; 27.42,73.67 27.05,73.67 25.4,72.02 25.4,68.21 v1(26.89,66.72)
  Top w0.3: 144.11,9.79 150.02,19.86 150.29,20.61 150.43,21.97 ; 144.11,9.79 SW40.2 ; 144.11,9.79 143.59,8.9 ; SW30.2 150.43,21.97 ; 150.43,21.97 150.55,23.12 ; v1(10.82,66.78) 14.3,52.85 SW1.2
  Bottom w0.25: SW40.2 142.72,9 142.72,6.46 142.24,5.98 17.78,5.98 17.69,6.07 SW31.2
  Bottom w0.8: v1(10.82,66.78) 26.82,66.78 v1(26.89,66.72)
Net-(IC10-I4): length 406.8
  Top w0.25: 7.33,121.52 v1(7.33,121.95) ; SW32.2 38.75,16.15 SW22.2 38.75,34 SW12.2 35.54,41.56 28.23,48.87 SW2.2 ; SW9.2 132.91,44.22 SW19.2 136.23,33.85 SW29.2
  Top w0.3: 136.21,21.91 136.08,20.68 135.81,19.93 130.08,10.15 ; 136.21,21.91 136.34,23.19 ; 136.21,21.91 SW29.2 ; 130.08,10.15 SW39.2 ; 130.08,10.15 129.39,8.97 ; SW9.2 126.26,55.31 125.63,58.7 124.08,60.69 119.47,62.39 31.46,62.49 27.41,63.53 22.53,66.23 ; 22.53,66.23 9.66,80.51 9.25,81.59 8.58,84.69 8.21,87.83 7.56,89.36 6.31,91.28 5.82,91.85 5.89,119.95 v1(7.33,121.95) ; 22.53,66.23 21.95,67.9 24.84,74.71 R16.1
  Bottom w0.25: SW2.2 28.23,46.91 28.52,46.62 125.73,46.62 125.99,46.88 SW9.2 ; v1(7.33,121.95) 8.68,120.6 13.65,120.6 14.77,119.48 IC10.10
Net-(IC10-I5): length 287.8
  Top w0.25: SW3.2 49.3,44.06 SW13.2 52.77,33.63 SW23.2 52.77,16.06 SW33.2 ; 110.93,58.88 112.15,57.66 SW8.2 119.13,44.16 SW18.2
  Top w0.3: 110.93,58.88 107.72,60.45 32.17,60.53 28.44,61.18 22.74,64.62 R13.1 ; SW38.2 121.9,19.92 122.17,20.67 SW28.2 122.53,24.96 SW18.2
  Bottom w0.25: SW23.2 52.77,20.52 53.34,19.95 121.92,19.95 122.43,20.46 SW28.2
Net-(IC10-I6): length 201.6
  Top w0.25: SW36.2 94.41,15.7 SW26.2 94.41,33.92 SW16.2 91.12,44.17 SW6.2 ; SW5.2 77.21,44.13 SW15.2 80.65,33.69 SW25.2 80.65,16.07 SW35.2
  Top w0.3: SW6.2 84.15,55.52 83.49,56.39 82.43,57.11 80.72,57.55 67.89,57.57 ; 67.89,57.57 68.08,57.57 ; 67.89,57.57 31.33,57.57 28.1,58.27 R15.1
  Bottom w0.25: SW5.2 70.2,48.81 71.12,47.89 83.82,47.89 84.15,48.22 SW6.2
Net-(IC11-Pad5): length 4.6
  Bottom w0.5: IC11.5 84.17,88.21 81.94,88.11 R24.1
Net-(IC13-Pad6): length 14.7
  Bottom w0.5: IC13.6 53.2,85.73 51.98,84.52 47.8,84.52 44.01,88.31 IC16.5
Net-(IC13-Pad8): length 28.5
  Top w0.3: IC13.8 60.3,77.13 v1(60.15,76.32)
  Bottom w0.5: v1(60.15,76.32) 61.13,76.09 79.84,76 R24.2
Net-(IC15-Pad8): length 12.3
  Top w0.3: R18.1 43.03,77.62 IC15.8
Net-(IC20-Pad8): length 8.5
  Bottom w0.5: v1(139.23,87.66) 139.22,87.65 X1.3 139.21,83.31 IC20.8
Net-(IC20-Pad10): length 30.8
  Top w0.5: IC20.10 IC20.11
  Bottom w0.5: 131.11,94.75 131.11,95.86 128.94,95.86 128.8,96.01 IC20.2 ; 131.11,94.75 137.1,94.75 137.37,95.02 139.29,95.02 v1(139.29,98.64) 139.33,98.69 R27.2 ; 131.11,94.75 131.11,90.99 131.17,90.93 IC20.11

## Copper pours and planes (outline as drawn; the poured copper is in the pictures)
0V on Top, Bottom: 0,201.56 154.94,201.56 154.94,-0.37 0,-0.37
